# KiCad board MegaDrive.kicad_pcb
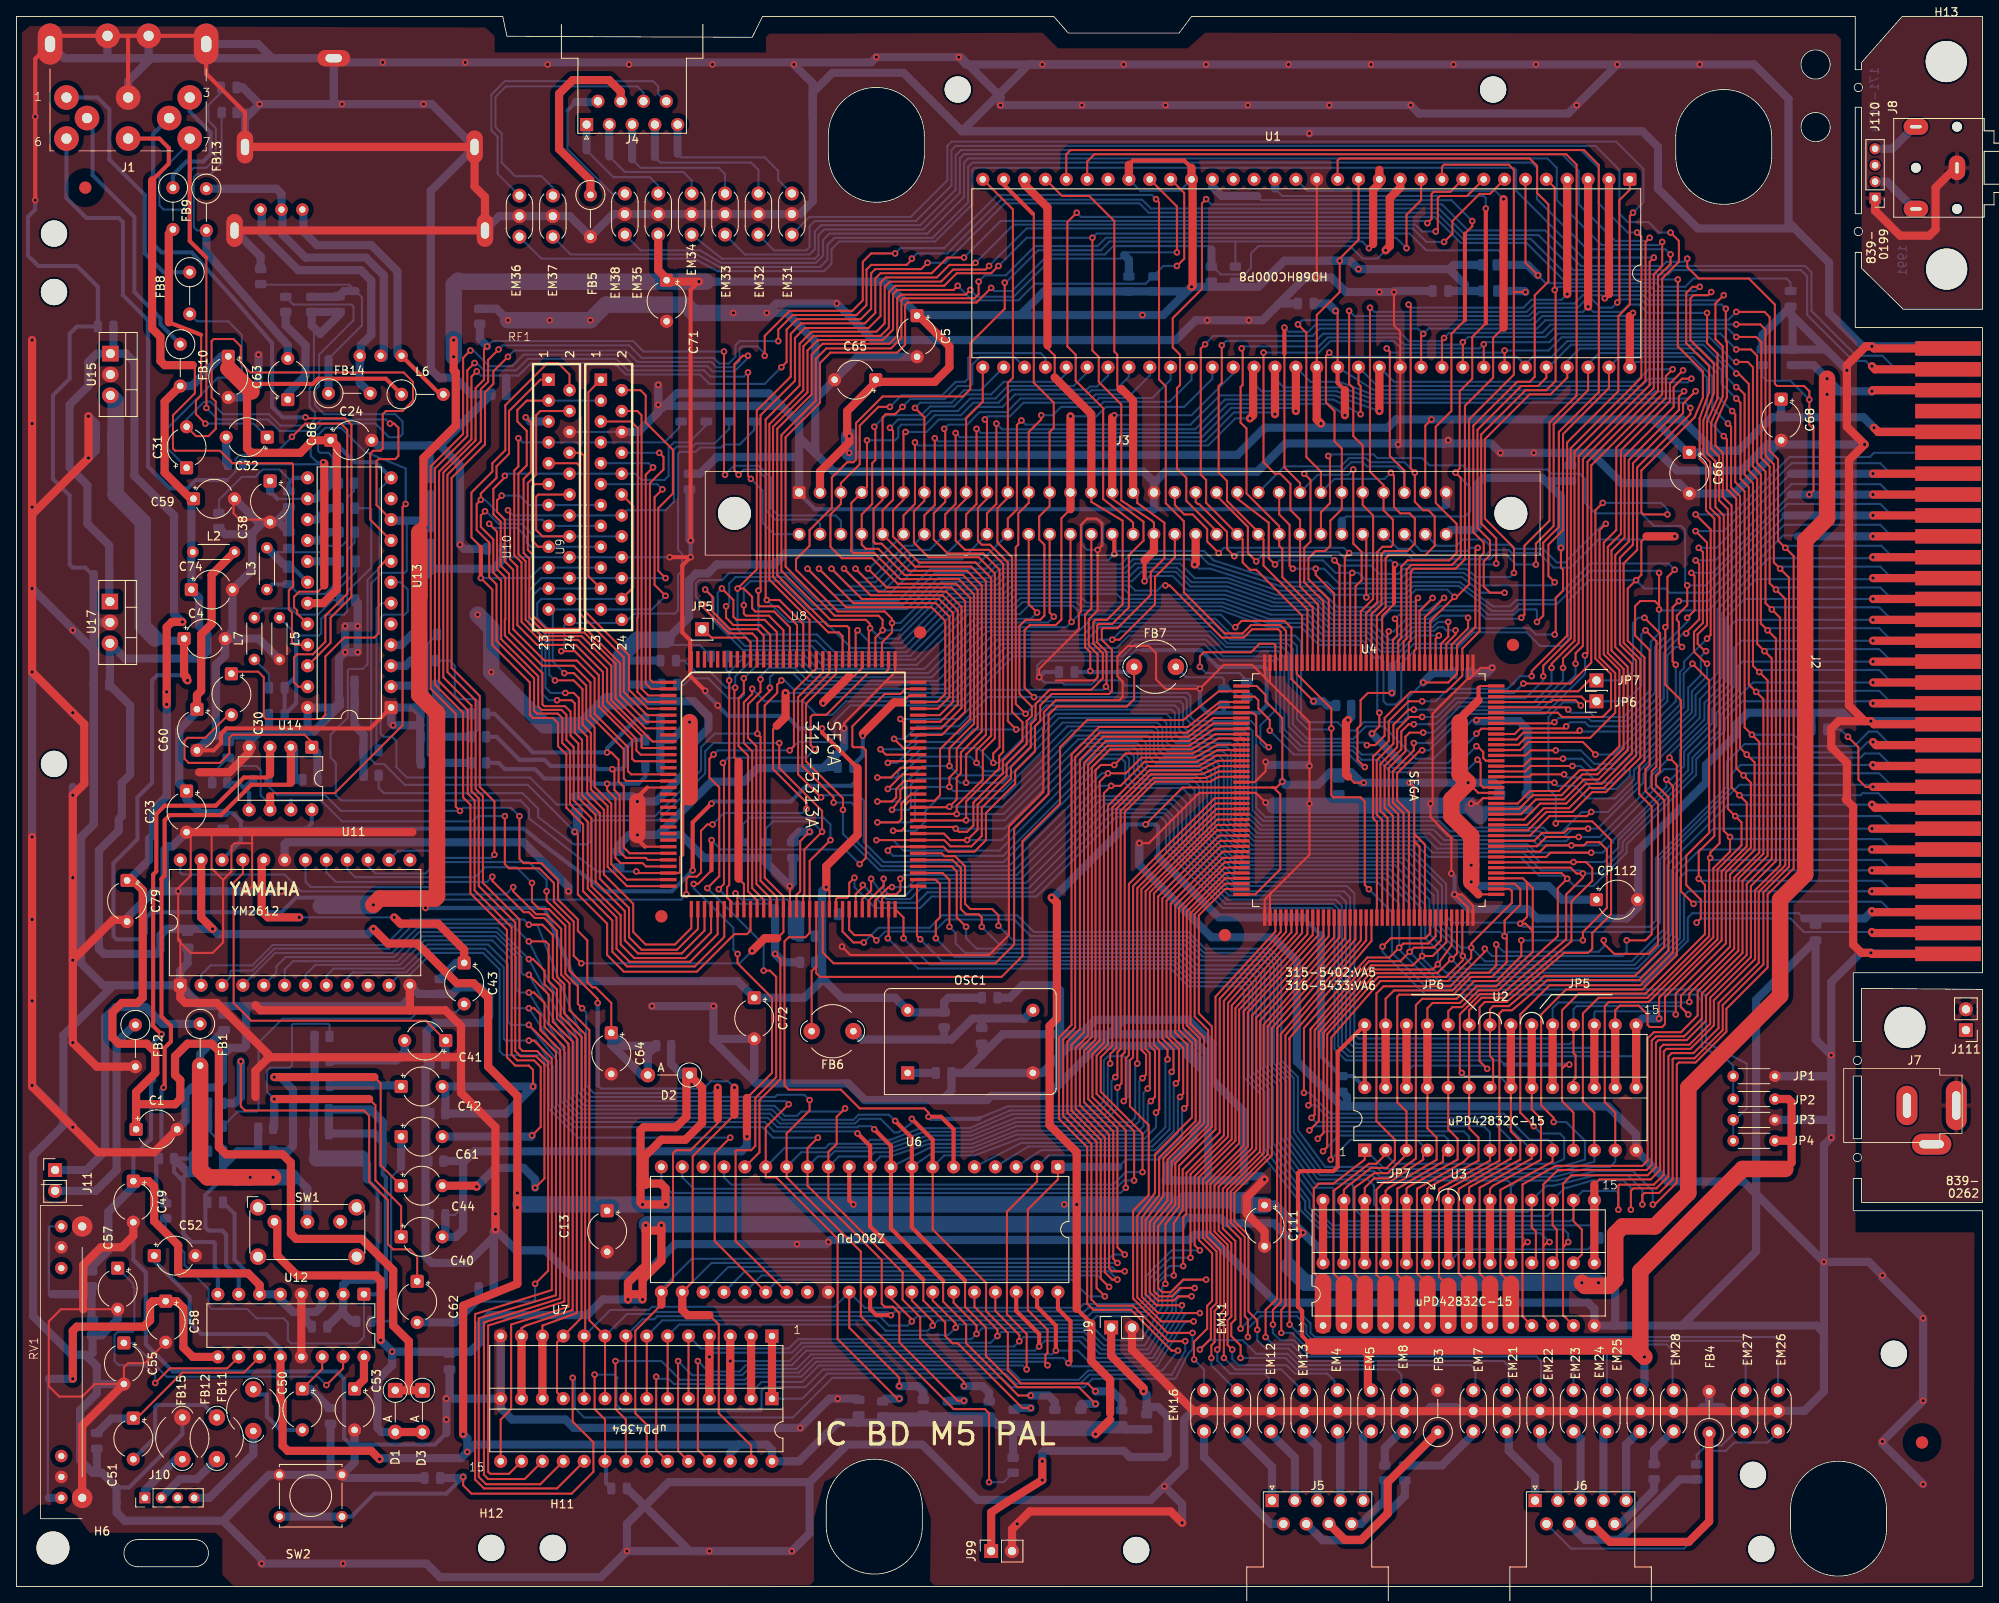
[diagram p0: board, top side]
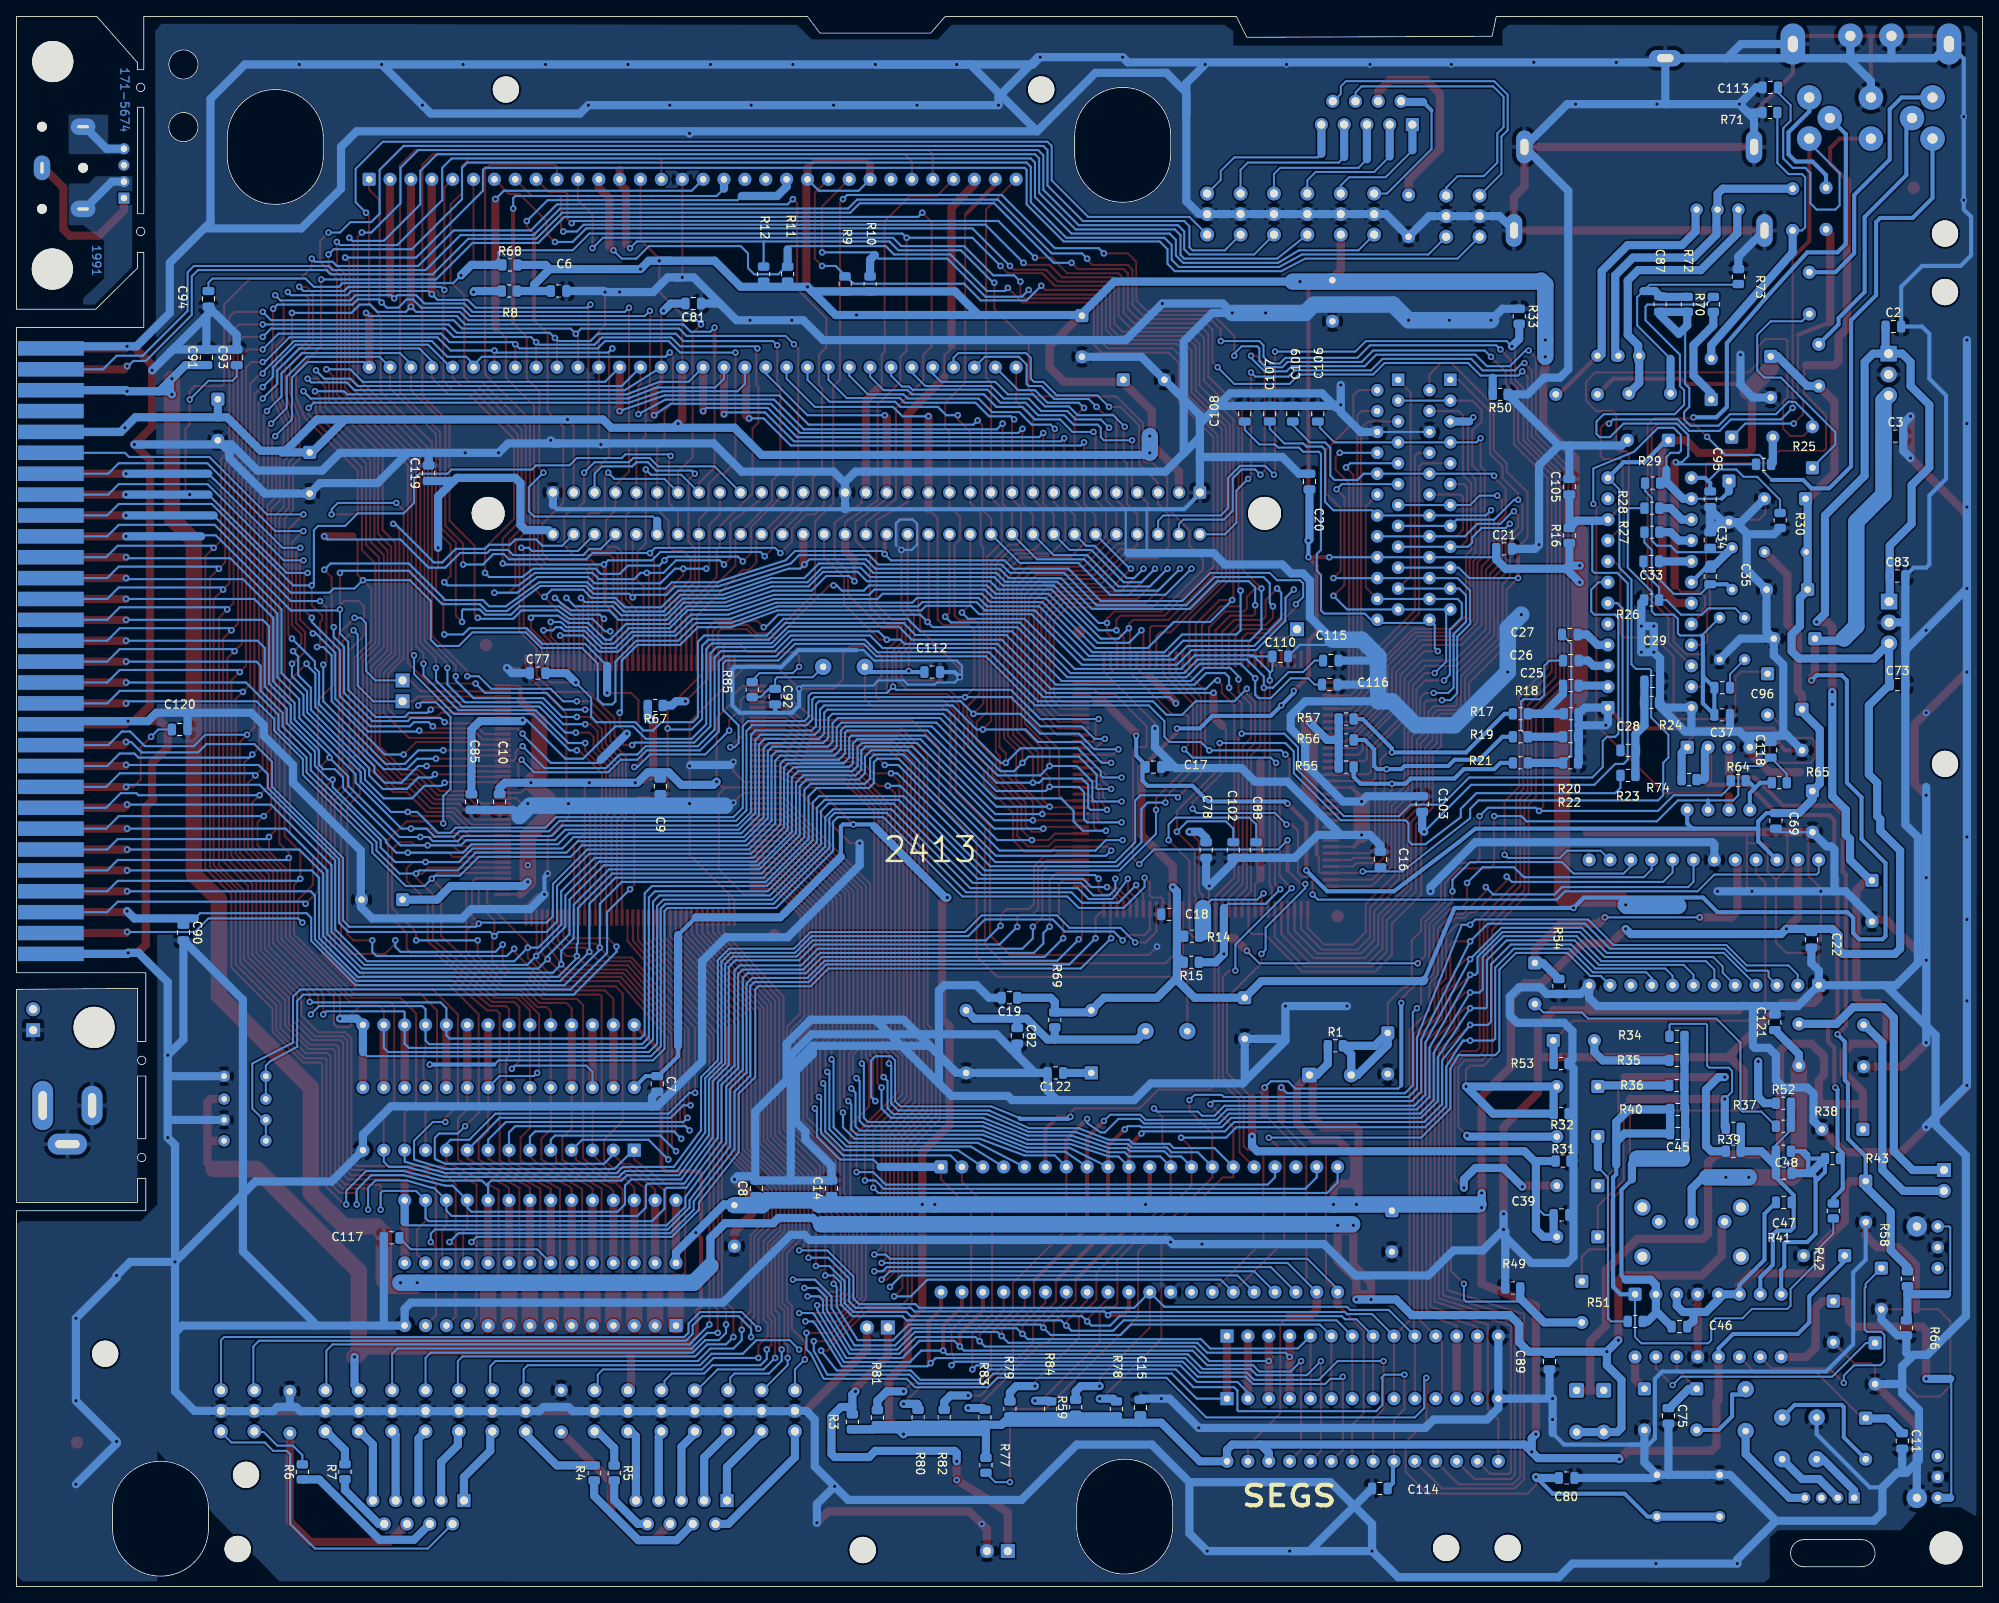
[diagram p1: board, bottom side, seen from below]

Outline 239.27 x 191.01 mm; copper layers: Top, Bottom. Coordinates in mm from the lower left corner of the outline.
Outline path: 223.77,162.31 224.54,162.31 224.54,160.39 229.62,155.39 239.27,155.39 239.27,191.01 229.49,191.01 224.54,185.39 224.54,184.53 223.77,184.53 223.77,191.01 143,191.01 141.48,188.98 128.02,188.98 126.24,191.01 90.8,191.01 89.53,188.47 59.69,188.6 59.18,191.01 0,191.01 0,0 239.27,0 239.27,45.72 223.52,45.72 223.52,49.66 224.54,49.66 224.54,46.74 239.27,46.74 239.27,72.64 224.54,72.77 224.54,66.29 223.52,66.29 223.52,74.68 239.27,74.68 239.27,153.16 223.77,153.16 closed ; circle c218.95,185.17 r1.78 ; circle c218.95,177.55 r1.78 ; rectangle 223.52,62.1 224.54,54.48 ; rectangle 223.77,179.96 224.54,167.01 ; circle c224.03,64.01 r0.51 ; circle c224.03,52.2 r0.51 ; circle c224.16,182.37 r0.51 ; circle c224.16,164.85 r0.51 ; 14.73,2.41 arc(13.08,4.06) 14.73,5.72 21.72,5.72 arc(23.37,4.06) 21.72,2.41 14.73,2.41 ; 98.55,9.91 arc(104.52,15.5) 110.24,9.65 110.24,7.11 arc(104.27,1.52) 98.55,7.37 98.55,9.91 ; 98.8,176.78 arc(104.77,182.38) 110.49,176.53 110.49,173.99 arc(104.52,168.4) 98.8,174.24 98.8,176.78 ; 201.92,176.53 arc(207.89,182.12) 213.61,176.28 213.61,173.74 arc(207.64,168.14) 201.92,173.99 201.92,176.53 ; 215.89,9.65 arc(221.86,15.24) 227.58,9.4 227.58,6.86 arc(221.61,1.27) 215.89,7.11 215.89,9.65

## Placement (name value [footprint] x y rotation side)
C1  220uF 16V  [CP_Radial_Tantal_D4.5mm_P5.00mm]  14.56 55.63 0 top
C2  0.1uF  [C_0805_2012Metric]  10.86 153.29 180 bottom
C3  0.1uF  [C_0805_2012Metric]  10.6 139.95 180 bottom
C4  100uF 10V  [CP_Radial_Tantal_D4.5mm_P5.00mm]  20.4 115.32 0 top
C5  10uF 16V  [CP_Radial_Tantal_D4.5mm_P5.00mm]  109.6 154.61 270 top
C6  22pF  [C_0805_2012Metric]  173.29 157.61 180 bottom
C7  22nF  [C_0805_2012Metric]  161.29 61.15 270 bottom
C8  22nF  [C_0805_2012Metric]  149.23 48.45 90 bottom
C9  22pF  [C_0805_2012Metric]  160.91 97.35 270 bottom
C10  22pF  [C_0805_2012Metric]  180.47 95.44 270 bottom
C11  10nF  [C_0805_2012Metric]  9.78 17.71 270 bottom
C13  10uF 16V  [CP_Radial_Tantal_D4.5mm_P5.00mm]  71.88 45.72 270 top
C14  22pF  [C_0805_2012Metric]  140.08 48.45 90 bottom
C15  22pF  [C_0805_2012Metric]  102.49 21.78 90 bottom
C16  22pF  [C_0805_2012Metric]  73.28 88.46 90 bottom
C17  22pF  [C_0805_2012Metric]  100.9 99.7 180 bottom
C18  22pF  [C_0805_2012Metric]  99 81.79 0 bottom
C19  22nF  [C_0805_2012Metric]  118.43 71.63 0 bottom
C20  22pF  [C_0805_2012Metric]  81.92 134.43 90 bottom
C21  22pF  [C_0805_2012Metric]  58.23 126.24 180 bottom
C22  22pF  [C_0805_2012Metric]  20.83 78.67 270 bottom
C23  100uF 10V  [CP_Radial_Tantal_D4.5mm_P5.00mm]  20.7 96.77 270 top
C24  10uF 10V Tantalum  [CP_Radial_Tantal_D4.5mm_P5.00mm]  38.23 139.45 0 top
C25  22nF  [C_0805_2012Metric]  50.1 109.6 180 bottom
C26  22nF  [C_0805_2012Metric]  50.1 112.65 180 bottom
C27  22nF  [C_0805_2012Metric]  50.23 115.82 180 bottom
C28  22nF  [C_0805_2012Metric]  43.12 101.73 180 bottom
C29  22pF  [C_0805_2012Metric]  40.2 110.11 180 bottom
C30  10uF 16V  [CP_Radial_Tantal_D4.5mm_P5.00mm]  26.16 111.05 270 top
C31  10uF 16V  [CP_Radial_Tantal_D4.5mm_P5.00mm]  20.7 136.1 90 top
C32  220uF 10V  [CP_Radial_Tantal_D4.5mm_P5.00mm]  30.53 139.83 180 top
C33  0.01u  [C_0805_2012Metric]  40.32 124.71 0 bottom
C34  180pF  [C_0805_2012Metric]  33.15 127.32 90 bottom
C35  12pF  [C_0805_2012Metric]  33.15 122.88 270 bottom
C37  100pF  [C_0805_2012Metric]  31.69 106.05 180 bottom
C38  10uF 16V  [CP_Radial_Tantal_D4.5mm_P5.00mm]  30.86 134.49 270 top
C39  330pF  [C_0805_2012Metric]  51.25 45.21 180 bottom  (not fitted)
C40  1uF 50V  [CP_Radial_Tantal_D4.5mm_P5.00mm]  46.82 42.55 0 top
C41  10uF 16V  [CP_Radial_Tantal_D4.5mm_P5.00mm]  52.24 66.42 180 top
C42  1uF 50V  [CP_Radial_Tantal_D4.5mm_P5.00mm]  46.82 60.83 0 top
C43  10uF 16V  [CP_Radial_Tantal_D4.5mm_P5.00mm]  54.48 75.87 270 top
C44  1uF 50V  [CP_Radial_Tantal_D4.5mm_P5.00mm]  46.82 48.77 0 top
C45  0.1uF  [C_0805_2012Metric]  37.08 55.12 0 bottom
C46  0.1uF  [C_0805_2012Metric]  36.89 31.62 180 bottom
C47  0.1uF  [C_0805_2012Metric]  24.19 46.74 0 bottom
C48  0.1uF  [C_0805_2012Metric]  24.19 50.29 180 bottom
C49  100uF 10V  [CP_Radial_Tantal_D4.5mm_P5.00mm]  14.22 49.32 270 top
C50  220uF 10V  [CP_Radial_Tantal_D4.5mm_P5.00mm]  34.8 24.05 270 top
C51  220uF 10V  [CP_Radial_Tantal_D4.5mm_P5.00mm]  14.22 20.49 270 top
C52  100uF 10V  [CP_Radial_Tantal_D4.5mm_P5.00mm]  16.77 40.26 0 top
C53  100uF 10V  [CP_Radial_Tantal_D4.5mm_P5.00mm]  41.15 24.05 270 top
C55  10uF 16V  [CP_Radial_Tantal_D4.5mm_P5.00mm]  13.08 29.64 270 top
C57  10uF 16V  [CP_Radial_Tantal_D4.5mm_P5.00mm]  12.32 38.74 270 top
C58  1uF 50V  [CP_Radial_Tantal_D4.5mm_P5.00mm]  18.16 34.72 270 top
C59  47uF 10V  [CP_Radial_Tantal_D4.5mm_P5.00mm]  21.54 132.33 0 top
C60  47uF 10V  [CP_Radial_Tantal_D4.5mm_P5.00mm]  21.97 106.73 270 top
C61  1uF 50V  [CP_Radial_Tantal_D4.5mm_P5.00mm]  46.82 54.74 0 top
C62  1uF 50V  [CP_Radial_Tantal_D4.5mm_P5.00mm]  48.77 37.13 270 top
C63  47uF 10V  [CP_Radial_Tantal_D4.5mm_P5.00mm]  25.78 149.65 270 top
C64  10uF 16V  [CP_Radial_Tantal_D4.5mm_P5.00mm]  72.39 67.36 270 top
C65  47uF 16V  [CP_Radial_Tantal_D4.5mm_P5.00mm]  104.57 146.81 180 top
C66  47uF 10V  [CP_Radial_Tantal_D4.5mm_P5.00mm]  203.58 137.97 270 top
C68  47uF 10V  [CP_Radial_Tantal_D4.5mm_P5.00mm]  214.76 144.45 270 top
C69  330pF  [C_0805_2012Metric]  25.15 93.15 90 bottom
C71  10uF 16V  [CP_Radial_Tantal_D4.5mm_P5.00mm]  79.12 158.92 270 top
C72  10uF 16V  [CP_Radial_Tantal_D4.5mm_P5.00mm]  89.79 71.63 270 top
C73  0.1uF  [C_0805_2012Metric]  10.35 109.73 180 bottom
C74  100uF 10V  [CP_Radial_Tantal_D4.5mm_P5.00mm]  21.29 121.29 0 top
C75  10nF  [C_0805_2012Metric]  38.23 20.76 270 bottom
C77  1000pF  [C_0805_2012Metric]  175.83 111.13 180 bottom
C78  22pF  [C_0805_2012Metric]  94.49 89.6 270 bottom
C79  100uF 16V  [CP_Radial_Tantal_D4.5mm_P5.00mm]  13.46 85.9 270 top
C80  C  [C_0805_2012Metric]  50.61 13.21 180 bottom  (not fitted)
C81  220pF  [C_0805_2012Metric]  156.91 156.08 0 bottom
C82  20pF  [C_0805_2012Metric]  117.48 67 270 bottom
C83  0.1uF  [C_0805_2012Metric]  10.35 122.94 180 bottom
C85  1000pF  [C_0805_2012Metric]  183.9 95.44 90 bottom
C86  220uF 10V  [CP_Radial_Tantal_D4.5mm_P5.00mm]  33.02 144.4 90 top
C87  22nF  [C_0805_2012Metric]  39.24 156.02 270 bottom
C88  47pF  [C_0805_2012Metric]  88.39 89.6 270 bottom
C89  22nF  [C_0805_2012Metric]  52.7 27.37 270 bottom
C90  22pF  [C_0805_2012Metric]  218.95 79.56 270 bottom  (not fitted)
C91  330pF  [C_0805_2012Metric]  216.15 149.55 90 bottom
C92  22pF  [C_0805_2012Metric]  146.94 108.27 90 bottom
C93  330pF  [C_0805_2012Metric]  212.47 149.55 90 bottom  (not fitted)
C94  220p  [C_0805_2012Metric]  215.9 156.65 90 bottom  (not fitted)
C95  0.1uF  [C_0805_2012Metric]  33.15 132.27 270 bottom
C96  12pF  [C_0805_2012Metric]  31.68 109.35 0 bottom
C102  22pF  [C_0805_2012Metric]  91.19 89.6 270 bottom
C103  22pF  [C_0805_2012Metric]  68.2 95.18 90 bottom
C105  22pF  [C_0805_2012Metric]  50.29 133.8 90 bottom
C106  22pF  [C_0805_2012Metric]  80.9 142.68 90 bottom
C107  22pF  [C_0805_2012Metric]  86.74 142.69 90 bottom
C108  22pF  [C_0805_2012Metric]  89.79 142.68 90 bottom
C109  22pF  [C_0805_2012Metric]  83.95 142.68 90 bottom
C110  22pF  [C_0805_2012Metric]  85.47 113.16 180 bottom
C111  47uF 10V  [CP_Radial_Tantal_D4.5mm_P5.00mm]  151.89 46.4 270 top
C112  22pF  [C_0805_2012Metric]  127.82 111.25 0 bottom
C113  39pF  [C_0805_2012Metric]  25.84 182.37 0 bottom
C114  150pF  [C_0805_2012Metric]  73.34 11.94 0 bottom  (not fitted)
C115  22pF  [C_0805_2012Metric]  79.31 112.65 180 bottom
C116  22pF  [C_0805_2012Metric]  79.44 109.73 180 bottom
C117  22pF  [C_0805_2012Metric]  193.61 42.42 0 bottom  (not fitted)
C118  C  [C_0805_2012Metric]  25.78 101.79 90 bottom  (not fitted)
C119  0.1uF  [C_0805_2012Metric]  189.1 135.45 90 bottom  (not fitted)
C120  22pF  [C_0805_2012Metric]  219.4 104.27 180 bottom  (not fitted)
C121  100nF  [C_0805_2012Metric]  25.27 68.65 90 bottom
C122  C  [C_0805_2012Metric]  112.84 62.48 0 bottom  (not fitted)
CP112  47uF 10V  [CP_Radial_Tantal_D4.5mm_P5.00mm]  192.28 83.57 0 top
D1  ISR35-100A  [D_A-405_P5.08mm_Vertical_AnodeUp]  46.1 23.88 270 top
D2  1S2475  [D_A-405_P5.08mm_Vertical_AnodeUp]  81.92 62.23 180 top
D3  ISR35-100A  [D_A-405_P5.08mm_Vertical_AnodeUp]  49.4 23.88 270 top
EM4  100pF 50v  [Resonator-3Pin_W6.0mm_H3.0mm]  160.78 23.88 270 top
EM5  100pF 50v  [Resonator-3Pin_W6.0mm_H3.0mm]  164.85 23.88 270 top
EM7  100pF 50v  [Resonator-3Pin_W6.0mm_H3.0mm]  177.29 23.88 270 top
EM8  100pF 50v  [Resonator-3Pin_W6.0mm_H3.0mm]  168.91 23.88 270 top
EM11  100pF 50v  [Resonator-3Pin_W6.0mm_H3.0mm]  148.59 23.88 270 top
EM12  100pF 50v  [Resonator-3Pin_W6.0mm_H3.0mm]  152.65 23.88 270 top
EM13  100pF 50v  [Resonator-3Pin_W6.0mm_H3.0mm]  156.72 23.88 270 top
EM16  100pF 50v  [Resonator-3Pin_W6.0mm_H3.0mm]  144.53 23.88 270 top
EM21  100pF 50v  [Resonator-3Pin_W6.0mm_H3.0mm]  181.36 23.88 270 top
EM22  100pF 50v  [Resonator-3Pin_W6.0mm_H3.0mm]  185.42 23.88 270 top
EM23  100pF 50v  [Resonator-3Pin_W6.0mm_H3.0mm]  189.48 23.88 270 top
EM24  100pF 50v  [Resonator-3Pin_W6.0mm_H3.0mm]  193.55 23.88 270 top
EM25  100pF 50v  [Resonator-3Pin_W6.0mm_H3.0mm]  197.61 23.88 270 top
EM26  100pF 50v  [Resonator-3Pin_W6.0mm_H3.0mm]  214.38 23.88 270 top
EM27  100pF 50v  [Resonator-3Pin_W6.0mm_H3.0mm]  210.31 23.88 270 top
EM28  100pF 50v  [Resonator-3Pin_W6.0mm_H3.0mm]  201.68 23.88 270 top
EM31  100pF 50v  [Resonator-3Pin_W6.0mm_H3.0mm]  94.36 164.47 90 top
EM32  100pF 50v  [Resonator-3Pin_W6.0mm_H3.0mm]  90.3 164.47 90 top
EM33  100pF 50v  [Resonator-3Pin_W6.0mm_H3.0mm]  86.23 164.47 90 top
EM34  100pF 50v  [Resonator-3Pin_W6.0mm_H3.0mm]  82.17 164.47 90 top
EM35  100pF 50v  [Resonator-3Pin_W6.0mm_H3.0mm]  78.11 164.47 90 top
EM36  100pF 50v  [Resonator-3Pin_W6.0mm_H3.0mm]  61.21 164.21 90 top
EM37  100pF 50v  [Resonator-3Pin_W6.0mm_H3.0mm]  65.28 164.21 90 top
EM38  100pF 50v  [Resonator-3Pin_W6.0mm_H3.0mm]  74.04 164.47 90 top
FB1  FerriteBead  [L_Axial_L7.0mm_D3.3mm_P5.08mm_Vertical_Fastron_MICC]  22.35 68.45 270 top
FB2  FerriteBead  [L_Axial_L7.0mm_D3.3mm_P5.08mm_Vertical_Fastron_MICC]  14.48 68.33 270 top
FB3  FerriteBead  [L_Axial_L7.0mm_D3.3mm_P5.08mm_Vertical_Fastron_MICC]  172.97 18.8 90 top
FB4  FerriteBead  [L_Axial_L7.0mm_D3.3mm_P5.08mm_Vertical_Fastron_MICC]  205.99 18.67 90 top
FB5  FerriteBead  [L_Axial_L7.0mm_D3.3mm_P5.08mm_Vertical_Fastron_MICC]  69.85 169.29 270 top
FB6  FerriteBead  [LairdTech_28C0236-0JW-10]  101.85 67.56 180 top
FB7  4T Radial  [LairdTech_28C0236-0JW-10]  136.02 111.89 0 top
FB8  FerriteBead  [L_Axial_L7.0mm_D3.3mm_P5.08mm_Vertical_Fastron_MICC]  21.08 159.89 270 top
FB9  FerriteBead  [L_Axial_L7.0mm_D3.3mm_P5.08mm_Vertical_Fastron_MICC]  19.05 170.18 270 top
FB10  FerriteBead  [L_Axial_L7.0mm_D3.3mm_P5.08mm_Vertical_Fastron_MICC]  19.94 151.13 270 top
FB11  FerriteBead  [LairdTech_28C0236-0JW-10]  28.83 18.92 90 top
FB12  FerriteBead  [LairdTech_28C0236-0JW-10]  24.38 15.49 90 top
FB13  FerriteBead  [L_Axial_L7.0mm_D3.3mm_P5.08mm_Vertical_Fastron_MICC]  23.11 170.05 270 top
FB14  FerriteBead  [L_Axial_L7.0mm_D3.3mm_P5.08mm_Vertical_Fastron_MICC]  37.97 145.16 0 top
FB15  FerriteBead  [LairdTech_28C0236-0JW-10]  20.19 15.49 90 top
FID1  Fiducial  [Fiducial_1.5mm_Mask4.5mm]  182.12 114.55 0 top
FID2  Fiducial  [Fiducial_1.5mm_Mask4.5mm]  147.07 79.25 0 top
FID3  Fiducial  [Fiducial_1.5mm_Mask4.5mm]  109.98 116.08 0 top
FID4  Fiducial  [Fiducial_1.5mm_Mask4.5mm]  78.49 81.53 0 top
FID5  Fiducial  [Fiducial_1.5mm_Mask4.5mm]  231.9 17.53 0 top
FID6  Fiducial  [Fiducial_1.5mm_Mask4.5mm]  8.38 170.18 0 top
H1  MountingHole  [MountingHole_3.2mm_M3]  4.57 164.59 0 top
H2  MountingHole  [MountingHole_3.2mm_M3]  114.55 182.12 0 top
H3  MountingHole  [MountingHole_3.2mm_M3]  179.7 182.12 0 top
H4  MountingHole  [MountingHole_3.2mm_M3]  212.34 4.57 0 top
H5  MountingHole  [MountingHole_3.2mm_M3]  136.27 4.45 0 top
H6  MountingHole  [MountingHole_4mm]  4.45 4.7 0 top
H7  MountingHole  [MountingHole_3.2mm_M3]  4.57 157.48 0 top
H8  MountingHole  [MountingHole_3.2mm_M3]  4.57 100.08 0 top
H9  MountingHole  [MountingHole_3.2mm_M3]  228.47 28.32 0 top
H10  MountingHole  [MountingHole_3.2mm_M3]  211.33 13.59 0 top
H11  MountingHole  [MountingHole_3.2mm_M3]  65.28 4.7 0 top
H12  MountingHole  [MountingHole_3.2mm_M3]  57.78 4.7 0 top
H13  MountingHole  [MountingHole_5mm]  234.85 185.52 0 top
H14  MountingHole  [MountingHole_5mm]  234.9 160.27 0 top
H15  MountingHole  [MountingHole_5mm]  229.82 68.02 0 top
J1  Video  [DIN8Video]  13.59 186.15 0 top
J2  Floppy  [Expansion]  237.62 112.52 90 bottom
J3  Cartridge  [SEGA_2x32_Female_Vertical_THT]  134.62 130.56 0 top
J4  EXT  [DSUB-9_Socket_Horizontal_P2.77x2.84mm_EdgePinOffset9.40mm]  69.39 177.85 180 top
J5  Player1  [DSUB-9_Pins_Horizontal_P2.77x2.84mm_EdgePinOffset9.40mm]  152.8 10.46 0 top
J6  Player2  [DSUB-9_Pins_Horizontal_P2.77x2.84mm_EdgePinOffset9.40mm]  184.81 10.46 0 top
J7  Jack-DC  [BarrelJack_CUI_PJ-002A_Horizontal]  230.97 64.82 0 top
J8  AudioJack3  [Jack_3.5mm]  236.16 172.59 90 top
J9  Conn_01x02_Pin  [PinSocket_1x02_P2.54mm_Vertical]  133.22 31.52 90 top
J10  Conn_01x04_Pin  [PinHeader_1x04_P2.00mm_Vertical]  15.62 10.8 90 top
J11  Conn_01x02_Pin  [PinHeader_1x02_P2.54mm_Vertical]  4.7 50.67 0 top
J99  Conn_01x02_Pin  [PinSocket_1x02_P2.54mm_Vertical]  118.62 4.32 90 top
J110  Conn_01x04_Pin  [PinHeader_1x04_P2.00mm_Vertical]  226.19 168.91 180 top
J111  Conn_01x02_Socket  [PinHeader_1x02_P2.54mm_Vertical]  237.24 67.69 180 top
JP1  JAP  [R_Axial_DIN0204_L3.6mm_D1.6mm_P5.08mm_Horizontal]  208.92 62.08 0 top
JP2  ENG  [R_Axial_DIN0204_L3.6mm_D1.6mm_P5.08mm_Horizontal]  208.92 59.31 0 top
JP3  PAL  [R_Axial_DIN0204_L3.6mm_D1.6mm_P5.08mm_Horizontal]  208.92 56.77 0 top
JP4  NTSC  [R_Axial_DIN0204_L3.6mm_D1.6mm_P5.08mm_Horizontal]  208.92 54.23 0 top
JP5  Conn_01x01_Pin  [PinSocket_1x01_P2.54mm_Vertical]  83.44 116.46 0 top
JP6  Conn_01x01_Pin  [PinSocket_1x01_P2.54mm_Vertical]  192.28 107.7 180 top
JP7  Conn_01x01_Pin  [PinSocket_1x01_P2.54mm_Vertical]  192.28 110.24 180 top
L2  100uH  [R_Axial_DIN0204_L3.6mm_D1.6mm_P5.08mm_Horizontal]  21.46 125.86 0 top
L3  100uH  [R_Axial_DIN0204_L3.6mm_D1.6mm_P5.08mm_Horizontal]  30.48 121.29 90 top
L5  12uH  [R_Axial_DIN0204_L3.6mm_D1.6mm_P5.08mm_Horizontal]  32 112.78 90 top
L6  0  [L_Axial_L7.0mm_D3.3mm_P5.08mm_Vertical_Fastron_MICC]  46.86 145.03 0 top
L7  100uH  [R_Axial_DIN0204_L3.6mm_D1.6mm_P5.08mm_Horizontal]  28.96 112.78 90 top
NT101  NetTie_2  [NetTie-2_SMD_Pad2.0mm]  27.2 146.79 315 top
OSC1  CK5545AC  [Oscillator_DIP-14]  108.46 62.48 0 top
R1  47k  [R_0805_2012Metric]  78.76 65.79 180 bottom
R3  120  [R_0805_2012Metric]  137.54 20.04 90 bottom
R4  330  [R_0805_2012Metric]  168.96 13.82 270 bottom
R5  330  [R_0805_2012Metric]  166.52 13.82 270 bottom
R6  330  [R_0805_2012Metric]  204.47 13.95 90 bottom
R7  330  [R_0805_2012Metric]  199.29 13.97 90 bottom
R8  2.2k  [R_0805_2012Metric]  179.3 157.61 180 bottom
R9  2.2k  [R_0805_2012Metric]  138.43 158.47 270 bottom
R10  2.2k  [R_0805_2012Metric]  135.38 158.47 270 bottom
R11  2.2k  [R_0805_2012Metric]  145.42 159.66 270 bottom
R12  2.2k  [R_0805_2012Metric]  148.34 159.66 270 bottom
R14  2.2k  [R_0805_2012Metric]  96.24 79.12 0 bottom
R15  2.2k  [R_0805_2012Metric]  96.29 75.95 0 bottom
R16  2.2k  [R_0805_2012Metric]  50.29 127.87 90 bottom
R17  4.7k  [R_0805_2012Metric]  56.24 106.17 180 bottom
R18  1.2k  [R_0805_2012Metric]  50.06 106.17 0 bottom
R19  4.7k  [R_0805_2012Metric]  56.24 103.38 180 bottom
R20  1.2k  [R_0805_2012Metric]  50.14 103.38 0 bottom
R21  4.7k  [R_0805_2012Metric]  56.24 100.2 180 bottom
R22  1.2k  [R_0805_2012Metric]  50.14 100.2 0 bottom
R23  3.3k  [R_0805_2012Metric]  43.16 98.68 180 bottom
R24  1k  [R_0805_2012Metric]  40.28 107.57 0 bottom
R25  75  [R_0805_2012Metric]  26.65 136.53 0 bottom
R26  1k  [R_0805_2012Metric]  40.28 120.02 180 bottom
R27  1.2k  [R_0805_2012Metric]  40.24 128.27 0 bottom
R28  1.2k  [R_0805_2012Metric]  40.24 131.19 0 bottom
R29  1k  [R_0805_2012Metric]  40.16 134.24 0 bottom
R30  24k  [R_0805_2012Metric]  24.64 129.69 90 bottom
R31  2.2k  [R_0805_2012Metric]  51.05 51.77 180 bottom
R32  75  [R_0805_2012Metric]  51.28 57.53 0 bottom
R33  75  [R_0805_2012Metric]  56.39 154.54 270 bottom
R34  51k  [R_0805_2012Metric]  37.19 66.93 180 bottom
R35  2.2k  [R_0805_2012Metric]  37.19 64.01 180 bottom
R36  47k  [R_0805_2012Metric]  37.23 60.96 0 bottom
R37  51k  [R_0805_2012Metric]  30.33 55.75 180 bottom
R38  2.2k  [R_0805_2012Metric]  24.23 56.01 180 bottom
R39  47k  [R_0805_2012Metric]  30.33 52.96 180 bottom
R40  10k  [R_0805_2012Metric]  37.11 58.04 0 bottom
R41  10k  [R_0805_2012Metric]  24.23 52.96 180 bottom
R42  10k  [R_0805_2012Metric]  18.16 45.7 270 bottom
R43  10k  [R_0805_2012Metric]  18.26 52.07 0 bottom
R49  75  [R_0805_2012Metric]  57.17 36.32 180 bottom
R50  75  [R_0805_2012Metric]  58.7 145.03 0 bottom
R51  3.3k  [R_0805_2012Metric]  42.27 32.26 0 bottom
R52  47k  [R_0805_2012Metric]  24.23 58.8 180 bottom
R53  2.2k  [R_0805_2012Metric]  51.28 63.63 180 bottom
R54  2.2k  [R_0805_2012Metric]  51.56 73 270 bottom
R55  5.6k  [R_0805_2012Metric]  77.45 99.7 180 bottom
R56  5.6k  [R_0805_2012Metric]  77.45 103 180 bottom
R57  5.6k  [R_0805_2012Metric]  77.45 105.54 180 bottom
R58  36k  [R_0805_2012Metric]  9.14 37.44 90 bottom
R59  4.7k  [R_0805_2012Metric]  110.36 21.82 90 bottom
R64  10k  [R_0805_2012Metric]  29.74 98.04 180 bottom
R65  100k  [R_0805_2012Metric]  24.74 97.79 180 bottom
R66  30k  [R_0805_2012Metric]  9.27 31.47 270 bottom
R67  1.2k  [R_0805_2012Metric]  161.52 107.19 0 bottom
R68  220  [R_0805_2012Metric]  179.22 160.78 180 bottom  (not fitted)
R69  1k  [R_0805_2012Metric]  112.9 68.94 90 bottom
R70  2k  [R_0805_2012Metric]  32.77 155.98 90 bottom
R71  2.2k  [R_0805_2012Metric]  25.88 179.32 180 bottom
R72  1.3k  [R_0805_2012Metric]  35.94 155.98 90 bottom
R73  1k  [R_0805_2012Metric]  29.72 159.36 270 bottom
R74  33k  [R_0805_2012Metric]  35.71 98.17 0 bottom
R77  4.7k  [R_0805_2012Metric]  121.29 14.76 270 bottom
R78  4.7k  [R_0805_2012Metric]  105.41 21.61 90 bottom
R79  4.7k  [R_0805_2012Metric]  118.36 21.61 90 bottom
R80  4.7k  [R_0805_2012Metric]  129.54 20.6 90 bottom
R81  4.7k  [R_0805_2012Metric]  134.49 20.55 90 bottom
R82  4.7k  [R_0805_2012Metric]  126.36 20.6 90 bottom
R83  4.7k  [R_0805_2012Metric]  121.41 20.6 90 bottom
R84  4.7k  [R_0805_2012Metric]  113.41 21.61 90 bottom
R85  10  [R_0805_2012Metric]  149.73 109.12 270 bottom
RF1  ~  [RFmod]  41.78 192.91 0 top
RV1  50K  [HeadphoneVolumeSlider]  8 48.9 0 top
SW1  SW_SPDT  [SW_E-Switch_EG1224_SPDT_Angled]  31.4 44.38 0 top
SW2  SW_Push  [SW_Tactile_Straight_KSA0Axx1LFTR]  32 13.59 0 top
U1  HD68HC000P8  [DIP-64_W22.86mm]  196.34 171.2 270 top
U2  uPD42832C-15  [DIP-28_DoubleLast]  164.08 53.09 90 top
U3  uPD42832C-15  [DIP-28_DoubleLast]  159 31.75 90 top
U4  315-5402  [QFP-160_28x28_Pitch0.65mm]  164.58 96.88 0 top
U6  Z80CPU  [DIP-40_W15.24mm]  126.75 51.05 270 top
U7  uPD4364  [DIP-28_DoubleFirst]  91.95 30.48 270 top
U8  312-5313A  [QFP128]  94.53 97.6 270 top
U9  M5M4C264L  [ZIP-24]  72.39 151.89 0 top
U10  M5M4C264L  [ZIP-24]  66.04 151.89 0 top
U11  YM2612  [DIP-24_W15.24mm]  19.94 73.15 90 top
U12  CXA1034P  [DIP-16_W7.62mm]  42.29 35.56 270 top
U13  ~  [DIP-24_W10.16mm]  45.59 106.93 180 top
U14  LM358  [DIP-8_W7.62mm]  35.94 102.11 270 top
U15  L7805  [TO-220-3_Vertical]  11.43 149.99 270 top
U17  L7805  [TO-220-3_Vertical]  11.38 119.83 270 top
